# Allegro board SDHCalFEB20180110.brd (continued)
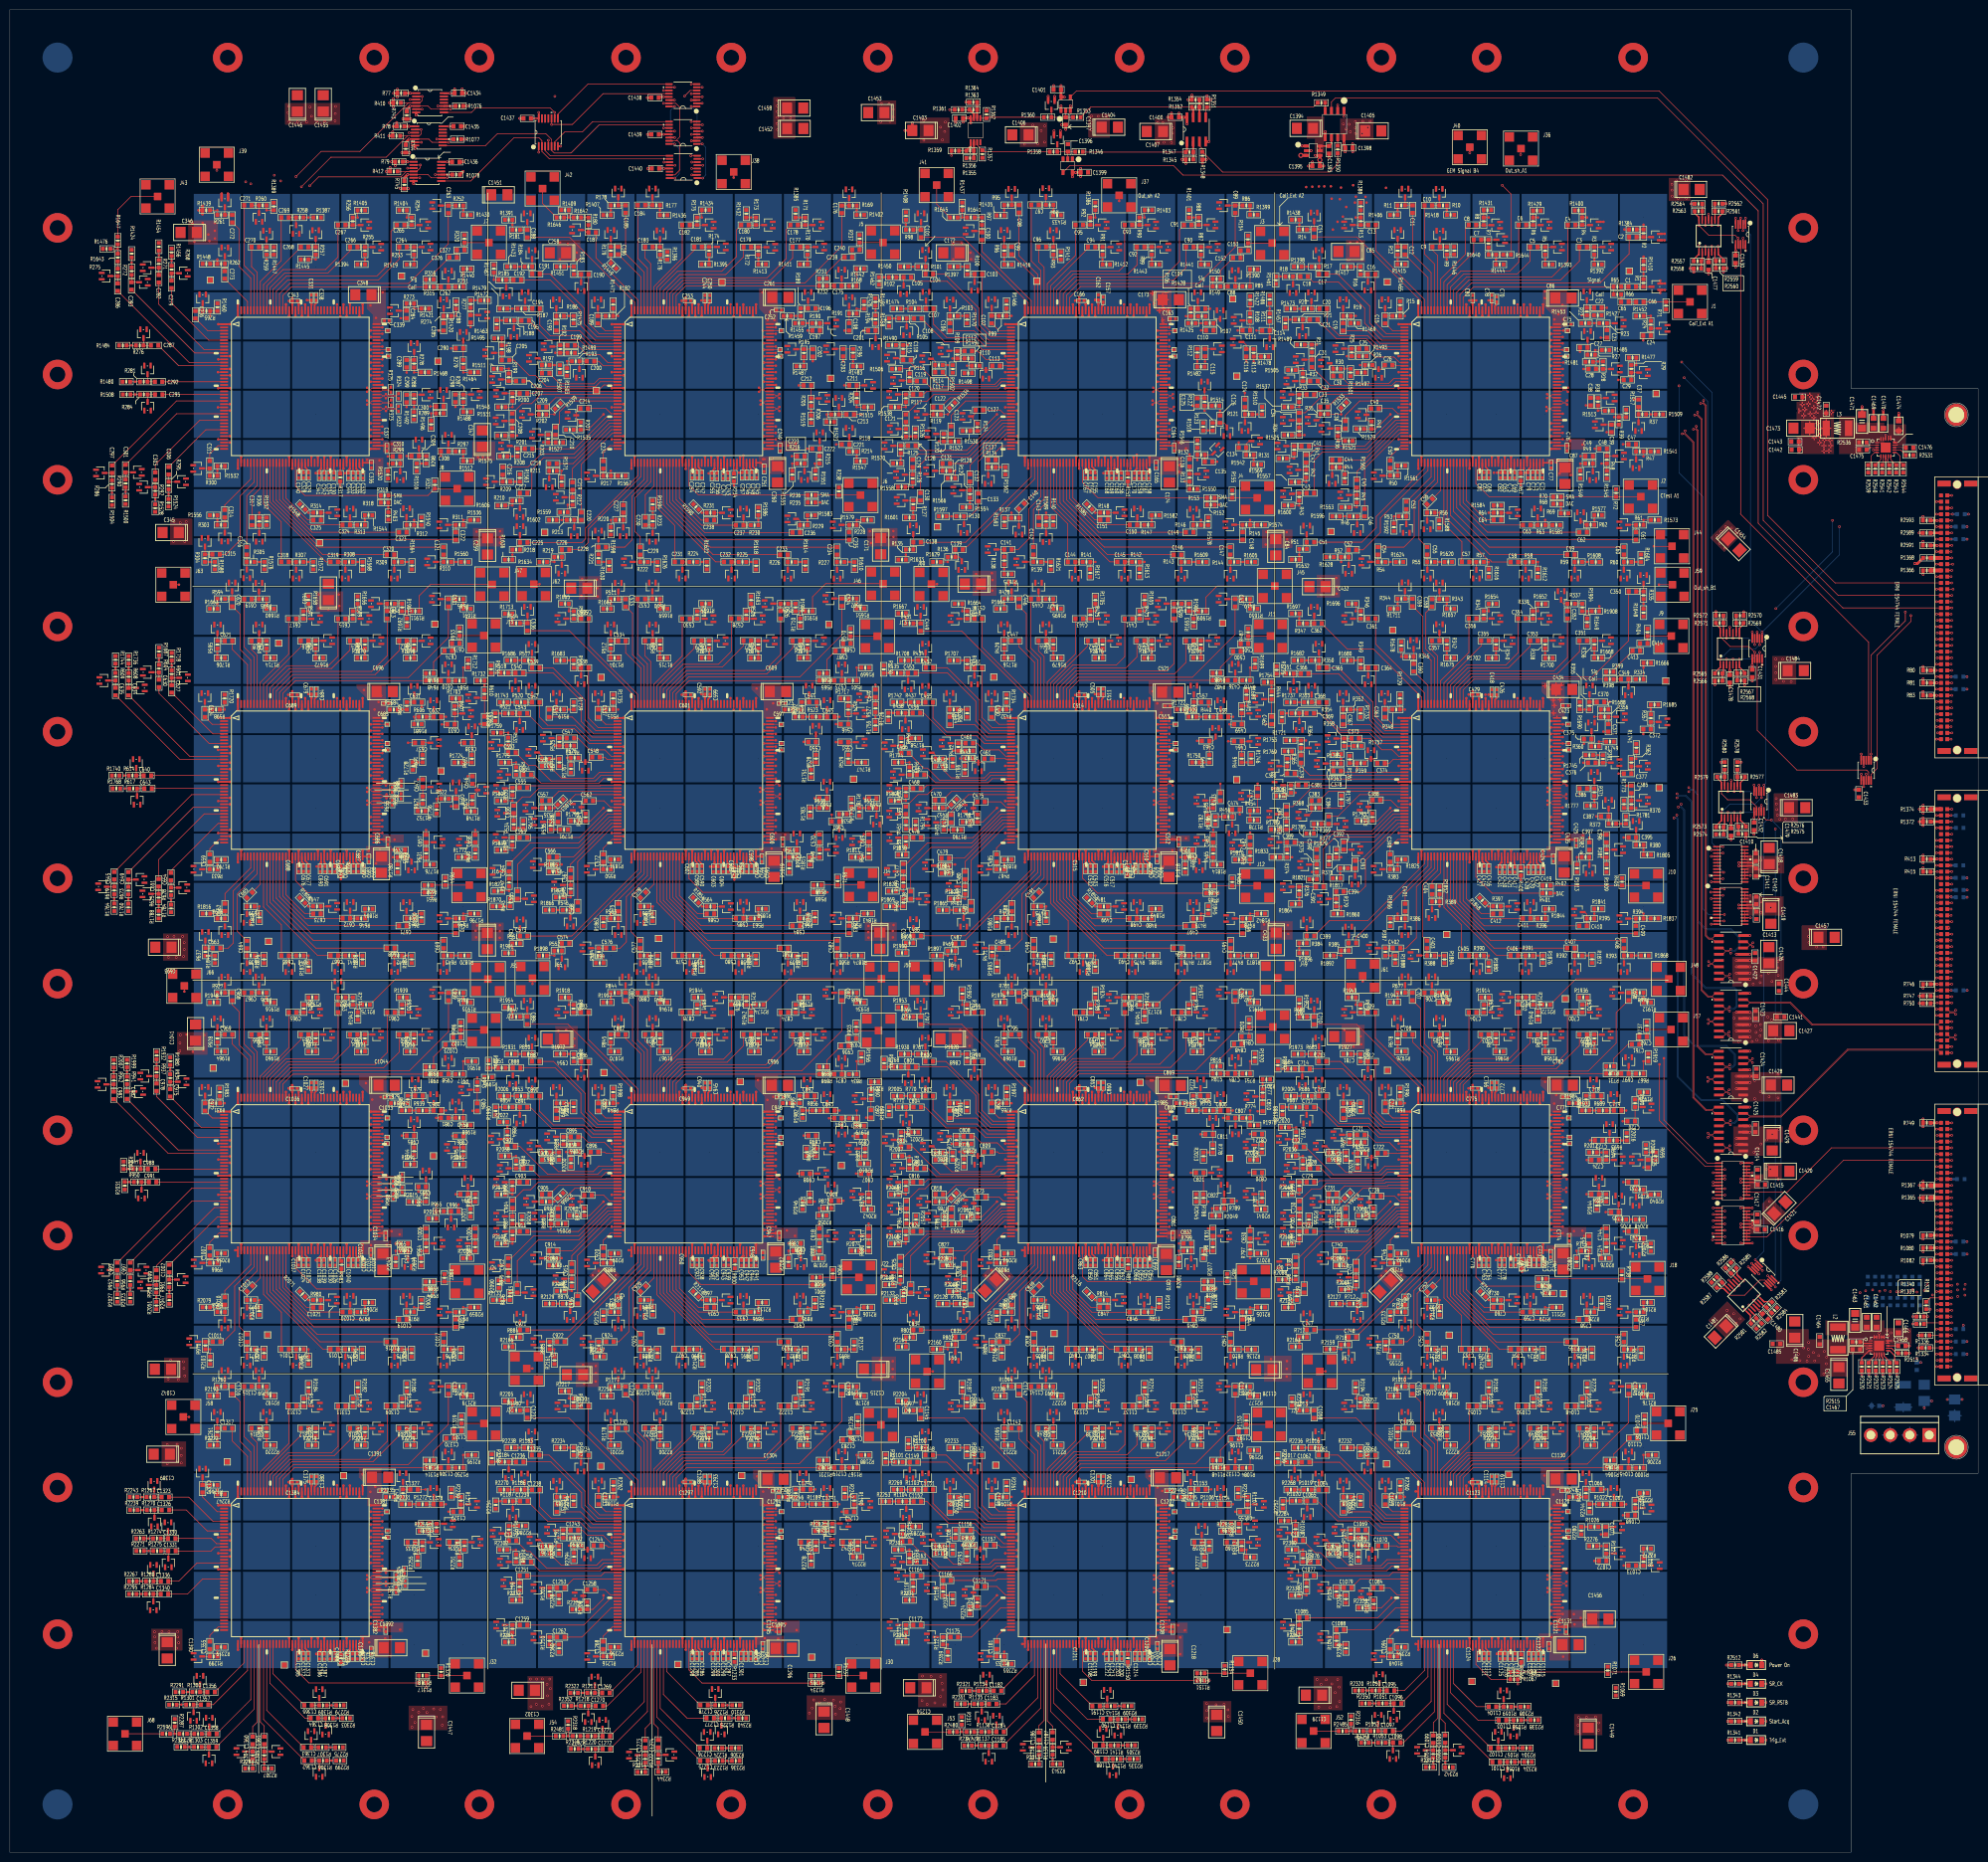
[diagram p0: board, top side]
## Placement (name value [footprint] x y rotation side) (continued)
R309  100  [SR0603]  78.94 262.2 180 top
R310  100  [SR0603]  88.98 262.2 180 top
R311  100  [SR0603]  91.44 269.72 180 top
R312  100  [SR0603]  81.43 269.72 180 top
R313  100  [SR0603]  71.42 269.72 180 top
R314  100  [SR0603]  62.48 272.21 0 top
R315  0  [SR0603]  85.39 318.11 180 top
R316  x  [SR0603]  85.39 319.63 180 top
R317  x  [SR0603]  67.19 279.37 270 top
R318  0  [SR0603]  76.2 274.24 180 top
R319  x  [SR0603]  76.2 275.71 180 top
R320  50  [SR0603]  92.43 327.86 90 top
R321  50  [SR0603]  86.41 277.85 270 top
R322  100  [SR0402]  79.04 293.32 90 top
R323  100  [SR0402]  77.52 294.59 90 top
R324  100  [SR0402]  79.04 295.91 270 top
R325  100  [SR0402]  77.47 297.21 90 top
R334  100  [SR0603]  331.44 238.38 180 top
R335  100  [SR0603]  332.21 255.43 90 top
R336  100  [SR0603]  322.2 245.45 90 top
R337  100  [SR0603]  317.49 253.72 180 top
R338  100  [SR0603]  312.19 245.45 90 top
R339  100  [SR0603]  309.73 251.43 270 top
R340  100  [SR0603]  302.21 245.45 90 top
R341  100  [SR0603]  299.72 251.45 270 top
R342  100  [SR0603]  292.2 245.45 90 top
R343  100  [SR0603]  291.46 254.66 180 top
R344  100  [SR0603]  282.96 254.71 0 top
R345  100  [SR0603]  284.69 242.95 0 top
R346  100  [SR0603]  274.7 251.45 270 top
R347  100  [SR0603]  262.97 249.71 0 top
R348  100  [SR0603]  281.91 232.21 180 top
R349  100  [SR0603]  274.7 241.44 270 top
R350  100  [SR0603]  265.44 242.21 0 top
R351  100  [SR0603]  260.28 239.5 0 top
R352  100  [SR0603]  271.87 232.21 180 top
R353  100  [SR0603]  263.97 233.68 0 top
R354  100  [SR0603]  261.43 231.44 0 top
R355  100  [SR0603]  321.21 232.98 90 top
R356  100  [SR0603]  324.29 230.73 0 top
R357  100  [SR0603]  333.68 230.45 270 top
R358  100  [SR0603]  271.32 225.56 90 top
R359  100  [SR0603]  274.71 221.31 0 top
R360  100  [SR0603]  322.37 224.71 180 top
R361  100  [SR0603]  323.95 222.17 270 top
R362  100  [SR0603]  329.72 221.43 270 top
R363  100  [SR0603]  269.92 221.23 180 top
R364  100  [SR0603]  262.56 225.16 270 top
R365  100  [SR0603]  259.74 221.45 270 top
R366  100  [SR0603]  260.48 216.06 90 top
R367  100  [SR0603]  259.59 208.62 90 top
R368  100  [SR0603]  265.47 212.19 180 top
R369  100  [SR0603]  265.92 208.97 0 top
R370  100  [SR0603]  329.72 212.96 90 top
R371  100  [SR0603]  322.2 215.4 90 top
R372  100  [SR0603]  325.87 208.99 180 top
R373  100  [SR0603]  277.09 210.35 90 top
R374  100  [SR0603]  259.71 202.95 90 top
R375  100  [SR0603]  265.75 199.95 90 top
R376  100  [SR0603]  262.2 195.43 90 top
R377  100  [SR0603]  269.74 202.97 90 top
R378  100  [SR0603]  271.3 199.96 0 top
R379  100  [SR0603]  269.71 192.96 90 top
R380  100  [SR0603]  331.44 204.69 180 top
R381  100  [SR0603]  324.68 202.97 90 top
R382  100  [SR0603]  320.42 202.22 0 top
R383  100  [SR0603]  281.43 199.74 180 top
R384  100  [SR0603]  262.97 184.72 0 top
R385  100  [SR0603]  271.48 183.24 0 top
R386  100  [SR0603]  282.96 189.72 0 top
R387  100  [SR0603]  279.72 182.96 90 top
R388  100  [SR0603]  288.95 182.21 180 top
R389  100  [SR0603]  289.97 193.18 180 top
R390  100  [SR0603]  298.98 182.21 180 top
R391  100  [SR0603]  308.97 182.21 180 top
R392  100  [SR0603]  318.97 182.21 180 top
R393  100  [SR0603]  328.98 182.21 180 top
R394  100  [SR0603]  331.42 189.73 180 top
R395  100  [SR0603]  321.44 189.73 180 top
R396  100  [SR0603]  311.45 189.73 180 top
R397  100  [SR0603]  302.39 192.21 0 top
R398  0  [SR0603]  325.35 238.37 180 top
R399  x  [SR0603]  325.35 239.87 180 top
R400  x  [SR0603]  307.27 199.29 270 top
R401  0  [SR0603]  312.47 194.89 180 top
R402  x  [SR0603]  312.47 196.43 180 top
R403  x  [SR0603]  76.97 271.55 270 top
R404  50  [SR0603]  333.01 247.9 90 top
R405  50  [SR0603]  327.85 197.21 270 top
R410  10k  [SR0603]  78.74 355.51 0 top
R411  10k  [SR0603]  78.61 348.78 180 top
R412  10k  [SR0603]  78.08 341.56 0 top
R413  10k  [SR0603]  389.81 201.81 0 top
R414  10k  [SR0603]  396.47 197.99 180 bottom
R415  10k  [SR0603]  389.81 199.25 0 top
R416  10k  [SR0603]  396.49 194.06 180 bottom
R417  10k  [SR0603]  396.49 195.53 180 bottom
R418  100  [SR0603]  251.43 238.15 180 top
R419  100  [SR0603]  251.43 254.66 180 top
R420  100  [SR0603]  242.19 245.42 90 top
R421  100  [SR0603]  237.51 253.72 180 top
R422  100  [SR0603]  232.21 245.45 90 top
R423  100  [SR0603]  229.74 251.43 270 top
R424  100  [SR0603]  222.2 245.42 90 top
R425  100  [SR0603]  219.71 251.43 270 top
R426  100  [SR0603]  212.19 245.45 90 top
R427  100  [SR0603]  211.42 254.66 180 top
R428  100  [SR0603]  202.95 254.69 0 top
R429  100  [SR0603]  202.21 245.45 90 top
R430  100  [SR0603]  194.67 251.43 270 top
R431  100  [SR0603]  182.96 249.71 0 top
R432  100  [SR0603]  201.92 232.21 180 top
R433  100  [SR0603]  194.67 241.44 270 top
R434  100  [SR0603]  185.45 242.21 0 top
R435  100  [SR0603]  180.4 239.62 0 top
R436  100  [SR0603]  191.91 232.21 180 top
R437  100  [SR0603]  183.93 233.68 0 top
R438  100  [SR0603]  181.34 231.52 0 top
R439  100  [SR0603]  240.77 232.98 90 top
R440  100  [SR0603]  243.98 230.73 0 top
R441  100  [SR0603]  250.49 232.2 270 top
R442  100  [SR0603]  192.85 224.61 90 top
R443  100  [SR0603]  194.94 222.26 0 top
R444  100  [SR0603]  256.57 235.08 270 top
R445  100  [SR0603]  243.93 222.22 90 top
R446  100  [SR0603]  250.49 222.22 90 top
R447  100  [SR0603]  188.98 222.19 180 top
R448  100  [SR0603]  181.26 225.6 270 top
R449  100  [SR0603]  182.94 219.71 270 top
R450  100  [SR0603]  182.21 215.42 90 top
R451  100  [SR0603]  182.21 208.71 90 top
R452  100  [SR0603]  188.93 212.21 180 top
R453  100  [SR0603]  189.93 208.51 90 top
R454  100  [SR0603]  252.96 211.69 0 top
R455  100  [SR0603]  244.64 212.95 90 top
R456  100  [SR0603]  247.8 210.42 0 top
R457  100  [SR0603]  196.74 210.11 90 top
R458  100  [SR0603]  182.21 205.41 90 top
R459  100  [SR0603]  181.7 197.05 90 top
R460  100  [SR0603]  181.7 192.96 90 top
R461  100  [SR0603]  190.22 200.47 180 top
R462  100  [SR0603]  194.25 195.48 90 top
R463  100  [SR0603]  193.19 191.45 0 top
R464  100  [SR0603]  252.21 202.46 90 top
R465  100  [SR0603]  244.69 202.95 90 top
R466  100  [SR0603]  239.75 202.19 0 top
R467  100  [SR0603]  201.42 199.74 180 top
R468  100  [SR0603]  182.96 184.74 0 top
R469  100  [SR0603]  191.49 183.17 0 top
R470  100  [SR0603]  202.97 189.72 0 top
R471  100  [SR0603]  199.74 182.96 90 top
R472  100  [SR0603]  208.99 182.21 180 top
R473  100  [SR0603]  208.97 192.19 180 top
R474  100  [SR0603]  219 182.21 180 top
R475  100  [SR0603]  228.98 182.21 180 top
R476  100  [SR0603]  238.99 182.21 180 top
R477  100  [SR0603]  249 182.21 180 top
R478  100  [SR0603]  251.43 189.73 180 top
R479  100  [SR0603]  241.43 189.73 180 top
R480  100  [SR0603]  231.44 189.73 180 top
R481  100  [SR0603]  222.48 192.19 0 top
R482  0  [SR0603]  245.39 238.14 180 top
R483  x  [SR0603]  245.39 239.64 180 top
R484  x  [SR0603]  227.34 199.39 270 top
R485  0  [SR0603]  244.04 194.89 180 top
R486  x  [SR0603]  244.04 196.38 180 top
R487  50  [SR0603]  251.81 247.9 90 top
R488  50  [SR0603]  248.57 197.15 270 top
R501  100  [SR0603]  171.44 238.1 180 top
R502  100  [SR0603]  171.44 254.76 180 top
R503  100  [SR0603]  162.2 245.42 90 top
R504  100  [SR0603]  157.5 253.72 180 top
R505  100  [SR0603]  152.2 245.42 90 top
R506  100  [SR0603]  149.73 251.43 270 top
R507  100  [SR0603]  142.19 245.42 90 top
R508  100  [SR0603]  139.75 251.43 270 top
R509  100  [SR0603]  132.21 245.42 90 top
R510  100  [SR0603]  131.44 254.66 180 top
R511  100  [SR0603]  122.97 254.63 0 top
R512  100  [SR0603]  122.2 245.4 90 top
R513  100  [SR0603]  114.68 251.43 270 top
R514  100  [SR0603]  102.98 249.76 0 top
R515  100  [SR0603]  121.94 232.21 180 top
R516  100  [SR0603]  114.66 241.44 270 top
R517  100  [SR0603]  105.42 242.19 0 top
R518  100  [SR0603]  100.57 239.65 0 top
R519  100  [SR0603]  111.93 232.21 180 top
R520  100  [SR0603]  103.95 233.68 0 top
R521  100  [SR0603]  101.43 231.42 0 top
R522  100  [SR0603]  161.04 232.95 90 top
R523  100  [SR0603]  163.94 230.73 0 top
R524  100  [SR0603]  170.48 232.17 270 top
R525  100  [SR0603]  111.73 225.64 90 top
R526  100  [SR0603]  114.84 222.4 0 top
R527  100  [SR0603]  176.02 232.44 90 top
R528  100  [SR0603]  163.91 222.23 90 top
R529  100  [SR0603]  170.48 222.23 90 top
R530  100  [SR0603]  108.98 222.2 180 top
R531  100  [SR0603]  101.35 225.72 270 top
R532  100  [SR0603]  102.95 219.73 270 top
R533  100  [SR0603]  102.21 215.58 90 top
R534  100  [SR0603]  102.46 208.87 90 top
R535  100  [SR0603]  108.96 212.19 180 top
R536  100  [SR0603]  109.98 208.59 90 top
R537  100  [SR0603]  175.47 212.22 0 top
R538  100  [SR0603]  165.41 212.22 0 top
R539  100  [SR0603]  169.42 210.96 180 top
R540  100  [SR0603]  117.09 210.31 90 top
R541  100  [SR0603]  102.18 205.42 90 top
R542  100  [SR0603]  101.52 197.06 90 top
R543  100  [SR0603]  101.73 192.97 90 top
R544  100  [SR0603]  110.46 200.73 180 top
R545  100  [SR0603]  114.04 195.78 90 top
R546  100  [SR0603]  113.21 191.47 0 top
R547  100  [SR0603]  174.67 202.97 90 top
R548  100  [SR0603]  164.66 202.97 90 top
R549  100  [SR0603]  159.26 202.19 0 top
R550  100  [SR0603]  121.44 199.74 180 top
R551  100  [SR0603]  102.97 184.67 0 top
R552  100  [SR0603]  111.48 183.19 0 top
R553  100  [SR0603]  122.96 189.72 0 top
R554  100  [SR0603]  119.75 182.96 90 top
R555  100  [SR0603]  128.96 182.21 180 top
R556  100  [SR0603]  129.01 192.19 180 top
R557  100  [SR0603]  138.99 182.21 180 top
R558  100  [SR0603]  149 182.21 180 top
R559  100  [SR0603]  158.98 182.19 180 top
R560  100  [SR0603]  168.99 182.21 180 top
R561  100  [SR0603]  171.42 189.75 180 top
R562  100  [SR0603]  161.44 189.75 180 top
R563  100  [SR0603]  151.43 189.75 180 top
R564  100  [SR0603]  142.47 192.19 0 top
R565  0  [SR0603]  165.4 238.09 180 top
R566  x  [SR0603]  165.4 239.59 180 top
R567  x  [SR0603]  147.33 199.36 270 top
R568  0  [SR0603]  164.24 195.06 180 top
R569  x  [SR0603]  164.24 196.56 180 top
R570  50  [SR0603]  170.96 247.88 90 top
R571  50  [SR0603]  168.33 197.33 270 top
R584  100  [SR0603]  91.43 238.07 180 top
R585  100  [SR0603]  91.43 254.66 180 top
R586  100  [SR0603]  82.19 245.4 90 top
R587  100  [SR0603]  77.49 253.72 180 top
R588  100  [SR0603]  72.19 245.42 90 top
R589  100  [SR0603]  69.75 251.43 270 top
R590  100  [SR0603]  62.18 245.42 90 top
R591  100  [SR0603]  59.72 251.43 270 top
R592  100  [SR0603]  52.2 245.4 90 top
R593  100  [SR0603]  51.44 254.65 180 top
R594  100  [SR0603]  42.96 254.69 0 top
R595  100  [SR0603]  42.21 245.4 90 top
R598  100  [SR0603]  41.93 232.21 180 top
R601  100  [SR0603]  32.92 239.41 270 top
R604  100  [SR0603]  30.33 240.53 270 top
R605  100  [SR0603]  80.72 232.95 90 top
R606  100  [SR0603]  83.93 230.73 0 top
R607  100  [SR0603]  90.45 232.17 270 top
R608  100  [SR0603]  24.16 238.85 270 top
R609  100  [SR0603]  21.49 238.88 270 top
R610  100  [SR0603]  96.52 235.37 270 top
R611  100  [SR0603]  83.92 222.23 90 top
R612  100  [SR0603]  93.93 222.21 90 top
R614  100  [SR0603]  24.95 218.8 0 top
R617  100  [SR0603]  25.1 216.15 0 top
R619  100  [SR0603]  21.23 195.44 90 top
R620  100  [SR0603]  94.03 213.78 90 top
R621  100  [SR0603]  83.97 213.83 90 top
R622  100  [SR0603]  88.48 214.07 0 top
R623  100  [SR0603]  24.1 195.41 90 top
R625  100  [SR0603]  30.27 193.98 90 top
R628  100  [SR0603]  32.78 195.25 90 top
R630  100  [SR0603]  94.66 202.97 90 top
R631  100  [SR0603]  84.65 202.97 90 top
R632  100  [SR0603]  79.6 202.19 0 top
R633  100  [SR0603]  41.43 199.74 180 top
R636  100  [SR0603]  42.98 189.72 0 top
R637  100  [SR0603]  39.77 182.96 90 top
R638  100  [SR0603]  48.97 182.21 180 top
R639  100  [SR0603]  48.97 192.19 180 top
R640  100  [SR0603]  59 182.21 180 top
R641  100  [SR0603]  69.01 182.21 180 top
R642  100  [SR0603]  78.99 182.21 180 top
R643  100  [SR0603]  88.98 182.21 180 top
R644  100  [SR0603]  91.44 189.75 180 top
R645  100  [SR0603]  81.43 189.75 180 top
R646  100  [SR0603]  71.45 189.75 180 top
R647  100  [SR0603]  62.46 192.21 0 top
R648  0  [SR0603]  85.39 238.09 180 top
R649  x  [SR0603]  85.39 239.59 180 top
R650  x  [SR0603]  67.32 199.44 270 top
R651  0  [SR0603]  85.06 195.01 180 top
R652  x  [SR0603]  85.06 196.51 180 top
R653  50  [SR0603]  91.46 248.01 90 top
R654  50  [SR0603]  88.53 197.28 270 top
R655  100  [SR0402]  77.77 213.26 90 top
R656  100  [SR0402]  79.55 214.58 90 top
R657  100  [SR0402]  77.75 215.9 270 top
R658  100  [SR0402]  79.6 217.2 90 top
R667  100  [SR0603]  331.44 158.22 180 top
R668  100  [SR0603]  331.44 174.65 180 top
R669  100  [SR0603]  322.2 165.39 90 top
R670  100  [SR0603]  319.76 171.44 270 top
R671  100  [SR0603]  312.19 165.39 90 top
R672  100  [SR0603]  307.51 173.74 180 top
R673  100  [SR0603]  302.18 165.41 90 top
R674  100  [SR0603]  299.75 171.44 270 top
R675  100  [SR0603]  292.2 165.41 90 top
R676  100  [SR0603]  291.43 174.65 180 top
R677  100  [SR0603]  282.96 174.66 0 top
R678  100  [SR0603]  282.22 165.41 90 top
R679  100  [SR0603]  274.65 171.44 270 top
R680  100  [SR0603]  262.97 169.75 0 top
R681  100  [SR0603]  281.96 152.2 180 top
R682  100  [SR0603]  274.65 161.43 270 top
R683  100  [SR0603]  265.41 162.2 0 top
R684  100  [SR0603]  260.56 159.18 0 top
R685  100  [SR0603]  271.95 152.2 180 top
R686  100  [SR0603]  263.94 153.67 0 top
R687  100  [SR0603]  261.45 151.41 0 top
R688  100  [SR0603]  320.52 152.97 90 top
R689  100  [SR0603]  323.93 150.72 0 top
R690  100  [SR0603]  330.48 152.19 270 top
R691  100  [SR0603]  272.47 145.02 90 top
R692  100  [SR0603]  274.83 142.05 0 top
R693  100  [SR0603]  326.08 144.65 180 top
R694  100  [SR0603]  324.64 141.44 270 top
R695  100  [SR0603]  334.64 141.44 270 top
R696  100  [SR0603]  269 142.19 180 top
R697  100  [SR0603]  261.57 145.58 270 top
R698  100  [SR0603]  262.94 139.74 270 top
R699  100  [SR0603]  262.2 135.42 90 top
R700  100  [SR0603]  262.23 128.53 90 top
R701  100  [SR0603]  269 132.21 180 top
R702  100  [SR0603]  270.13 128.48 90 top
R703  100  [SR0603]  331.44 134.67 180 top
R704  100  [SR0603]  324.64 132.95 90 top
R705  100  [SR0603]  327.91 128.6 180 top
R706  100  [SR0603]  277.24 130.11 90 top
R707  100  [SR0603]  262.2 125.41 90 top
R708  100  [SR0603]  261.47 117.13 90 top
R709  100  [SR0603]  261.7 112.96 90 top
R710  100  [SR0603]  270.46 120.72 180 top
R711  100  [SR0603]  273.75 116.05 90 top
R712  100  [SR0603]  273.23 111.46 0 top
R713  100  [SR0603]  331.44 124.65 180 top
R714  100  [SR0603]  324.65 122.96 90 top
R715  100  [SR0603]  320.34 122.21 0 top
R716  100  [SR0603]  281.46 119.75 180 top
R717  100  [SR0603]  262.97 104.66 0 top
R718  100  [SR0603]  271.48 103.16 0 top
R719  100  [SR0603]  282.96 109.76 0 top
R720  100  [SR0603]  279.77 102.97 90 top
R721  100  [SR0603]  289 102.2 180 top
R722  100  [SR0603]  289 112.18 180 top
R723  100  [SR0603]  299.01 102.2 180 top
R724  100  [SR0603]  309.02 102.2 180 top
R725  100  [SR0603]  319 102.2 180 top
R726  100  [SR0603]  328.98 102.2 180 top
R727  100  [SR0603]  331.44 109.74 180 top
R728  100  [SR0603]  321.44 109.74 180 top
R729  100  [SR0603]  311.43 109.74 180 top
R730  100  [SR0603]  302.44 112.2 0 top
R731  0  [SR0603]  325.4 158.21 180 top
R732  x  [SR0603]  325.4 159.71 180 top
R733  x  [SR0603]  307.5 119.46 270 top
R734  0  [SR0603]  311.61 115.03 180 top
R735  x  [SR0603]  313.13 113.55 0 top
R736  x  [SR0603]  311.61 116.53 180 top
R737  50  [SR0603]  332.86 167.94 90 top
R738  50  [SR0603]  327.77 117.27 270 top
R743  10k  [SR0603]  80.71 352.98 90 top
R744  10k  [SR0603]  80.5 346.15 270 top
R745  10k  [SR0603]  80.23 338.84 90 top
R746  10k  [SR0603]  389.81 176.41 0 top
R747  10k  [SR0603]  389.81 174 0 top
R748  10k  [SR0603]  396.49 175.13 180 bottom
R749  10k  [SR0603]  389.81 148.22 0 top
R750  10k  [SR0603]  389.81 172.5 0 top
R751  100  [SR0603]  251.43 158.22 180 top
R752  100  [SR0603]  251.43 174.65 180 top
R753  100  [SR0603]  242.19 165.39 90 top
R754  100  [SR0603]  239.75 171.44 270 top
R755  100  [SR0603]  232.21 165.41 90 top
R756  100  [SR0603]  227.5 173.71 180 top
R757  100  [SR0603]  222.2 165.39 90 top
R758  100  [SR0603]  219.76 171.44 270 top
R759  100  [SR0603]  212.19 165.41 90 top
R760  100  [SR0603]  211.45 174.65 180 top
R761  100  [SR0603]  202.95 174.65 0 top
R762  100  [SR0603]  202.21 165.41 90 top
R763  100  [SR0603]  194.64 171.44 270 top
R764  100  [SR0603]  182.97 169.75 0 top
R765  100  [SR0603]  201.95 152.2 180 top
R766  100  [SR0603]  194.64 161.43 270 top
R767  100  [SR0603]  185.4 162.2 0 top
R768  100  [SR0603]  180.45 159.59 0 top
R769  100  [SR0603]  191.94 152.2 180 top
R770  100  [SR0603]  183.93 153.67 0 top
R771  100  [SR0603]  181.49 151.41 0 top
R772  100  [SR0603]  240.61 152.97 90 top
R773  100  [SR0603]  243.93 150.72 0 top
R774  100  [SR0603]  251.45 149.2 180 top
R775  100  [SR0603]  192.48 144.71 90 top
R776  100  [SR0603]  194.78 142.32 0 top
R777  100  [SR0603]  254.76 154.35 270 top
R778  100  [SR0603]  244.63 142.96 90 top
R779  100  [SR0603]  254.63 142.96 90 top
R780  100  [SR0603]  188.99 142.19 180 top
R781  100  [SR0603]  181.25 145.53 270 top
R782  100  [SR0603]  182.93 139.74 270 top
R783  100  [SR0603]  182.19 135.39 90 top
R784  100  [SR0603]  182.32 128.53 90 top
R785  100  [SR0603]  189.01 132.2 180 top
R786  100  [SR0603]  189.97 128.43 90 top
R787  100  [SR0603]  254.63 132.95 90 top
R788  100  [SR0603]  242.72 132.95 90 top
R789  100  [SR0603]  246.21 130.84 0 top
R790  100  [SR0603]  196.82 129.85 90 top
R791  100  [SR0603]  182.19 125.41 90 top
R792  100  [SR0603]  181.09 117.04 90 top
R793  100  [SR0603]  181.68 112.95 90 top
R794  100  [SR0603]  190.47 120.72 180 top
R795  100  [SR0603]  194.1 115.62 90 top
R796  100  [SR0603]  193.19 111.46 0 top
R797  100  [SR0603]  252.21 122.45 90 top
R798  100  [SR0603]  244.64 122.96 90 top
R799  100  [SR0603]  239.45 122.21 0 top
R800  100  [SR0603]  201.45 119.75 180 top
R801  100  [SR0603]  182.96 104.63 0 top
R802  100  [SR0603]  191.49 103.18 0 top
R803  100  [SR0603]  202.95 109.76 0 top
R804  100  [SR0603]  199.76 102.97 90 top
R805  100  [SR0603]  208.99 102.2 180 top
R806  100  [SR0603]  208.99 112.21 180 top
R807  100  [SR0603]  218.99 102.21 180 top
R808  100  [SR0603]  228.98 102.2 180 top
R809  100  [SR0603]  238.99 102.2 180 top
R810  100  [SR0603]  249 102.2 180 top
R811  100  [SR0603]  251.43 109.74 180 top
R812  100  [SR0603]  241.43 109.74 180 top
R813  100  [SR0603]  231.44 109.74 180 top
R814  100  [SR0603]  222.44 112.21 0 top
R815  0  [SR0603]  245.39 158.21 180 top
R816  x  [SR0603]  245.39 159.71 180 top
R817  x  [SR0603]  227.39 119.43 270 top
R818  0  [SR0603]  243.64 114.49 180 top
R819  x  [SR0603]  243.64 115.99 180 top
R820  50  [SR0603]  251.98 168.45 90 top
R821  50  [SR0603]  247.53 116.76 270 top
R834  100  [SR0603]  171.44 158.09 180 top
R835  100  [SR0603]  171.44 174.65 180 top
R836  100  [SR0603]  162.2 165.39 90 top
R837  100  [SR0603]  159.77 171.44 270 top
R838  100  [SR0603]  152.2 165.41 90 top
R839  100  [SR0603]  147.49 173.71 180 top
R840  100  [SR0603]  142.19 165.39 90 top
R841  100  [SR0603]  139.75 171.44 270 top
R842  100  [SR0603]  132.21 165.41 90 top
R843  100  [SR0603]  131.44 174.65 180 top
R844  100  [SR0603]  122.97 174.65 0 top
R845  100  [SR0603]  122.2 165.39 90 top
R846  100  [SR0603]  114.63 171.44 270 top
R847  100  [SR0603]  102.96 169.77 0 top
R848  100  [SR0603]  121.94 152.2 180 top
R849  100  [SR0603]  114.66 161.43 270 top
R850  100  [SR0603]  105.42 162.2 0 top
R851  100  [SR0603]  100.03 159.38 0 top
R852  100  [SR0603]  111.93 152.2 180 top
R853  100  [SR0603]  103.95 153.67 0 top
R854  100  [SR0603]  101.46 151.38 0 top
R855  100  [SR0603]  160.63 152.97 90 top
R856  100  [SR0603]  163.94 150.72 0 top
R857  100  [SR0603]  171.44 149.15 180 top
R858  100  [SR0603]  112.57 144.61 90 top
R859  100  [SR0603]  114.84 142.29 0 top
R860  100  [SR0603]  175.11 153.89 270 top
R861  100  [SR0603]  163.91 142.22 90 top
R862  100  [SR0603]  173.89 142.22 90 top
R863  100  [SR0603]  109.01 142.21 180 top
R864  100  [SR0603]  101.17 145.69 270 top
R865  100  [SR0603]  102.95 139.74 270 top
R866  100  [SR0603]  102.18 135.39 90 top
R867  100  [SR0603]  102.21 128.46 90 top
R868  100  [SR0603]  109.01 132.21 180 top
R869  100  [SR0603]  109.98 128.48 90 top
R870  100  [SR0603]  174.65 132.95 90 top
R871  100  [SR0603]  162.69 132.95 90 top
R872  100  [SR0603]  166.28 130.89 0 top
R873  100  [SR0603]  116.81 130.13 90 top
R874  100  [SR0603]  102.21 125.38 90 top
R875  100  [SR0603]  101.36 116.94 90 top
R876  100  [SR0603]  101.67 112.95 90 top
R877  100  [SR0603]  110.46 120.72 180 top
R878  100  [SR0603]  114.27 115.77 90 top
R879  100  [SR0603]  113.18 111.46 0 top
R880  100  [SR0603]  174.64 122.96 90 top
R881  100  [SR0603]  164.63 122.96 90 top
R882  100  [SR0603]  160.07 122.21 0 top
R883  100  [SR0603]  121.44 119.75 180 top
R884  100  [SR0603]  102.97 104.63 0 top
R885  100  [SR0603]  109.77 102.97 90 top
R886  100  [SR0603]  122.96 109.76 0 top
R887  100  [SR0603]  119.75 102.97 90 top
R888  100  [SR0603]  129.01 102.2 180 top
R889  100  [SR0603]  129.01 112.21 180 top
R890  100  [SR0603]  139.01 102.2 180 top
R891  100  [SR0603]  149 102.2 180 top
R892  100  [SR0603]  159 102.2 180 top
R893  100  [SR0603]  169.01 102.2 180 top
R894  100  [SR0603]  171.42 109.77 180 top
R895  100  [SR0603]  161.44 109.77 180 top
R896  100  [SR0603]  151.43 109.77 180 top
R897  100  [SR0603]  142.47 112.2 0 top
R898  0  [SR0603]  165.4 158.11 180 top
R899  x  [SR0603]  165.4 159.6 180 top
R900  x  [SR0603]  147.42 119.41 270 top
R901  0  [SR0603]  163.98 115.31 180 top
R902  x  [SR0603]  163.98 116.81 180 top
R903  50  [SR0603]  172.1 167.72 90 top
R904  50  [SR0603]  167.34 117.58 270 top
R917  100  [SR0603]  91.43 158.12 180 top
R918  100  [SR0603]  91.46 174.62 180 top
R919  100  [SR0603]  82.19 165.39 90 top
R920  100  [SR0603]  79.76 171.44 270 top
R921  100  [SR0603]  72.19 165.39 90 top
R922  100  [SR0603]  67.5 173.71 180 top
R923  100  [SR0603]  62.2 165.41 90 top
R924  100  [SR0603]  59.77 171.44 270 top
R925  100  [SR0603]  52.2 165.39 90 top
R926  100  [SR0603]  51.43 174.65 180 top
R927  100  [SR0603]  42.96 174.62 0 top
R928  100  [SR0603]  42.21 165.39 90 top
R931  100  [SR0603]  41.95 152.2 180 top
R934  100  [SR0603]  32.61 157.32 270 top
R937  100  [SR0603]  29.84 158.46 270 top
R938  100  [SR0603]  80.92 152.97 90 top
R939  100  [SR0603]  83.93 150.72 0 top
R940  100  [SR0603]  91.43 149.22 180 top
R941  100  [SR0603]  23.83 156.84 270 top
R942  100  [SR0603]  21.13 156.81 270 top
R943  100  [SR0603]  95.05 155.72 270 top
R944  100  [SR0603]  82.19 142.45 90 top
R945  100  [SR0603]  92.2 142.45 90 top
R947  100  [SR0603]  25.82 138.84 0 top
R950  100  [SR0603]  26.02 136.19 0 top
R952  100  [SR0603]  21.84 116.04 90 top
R953  100  [SR0603]  94.64 132.95 90 top
R954  100  [SR0603]  84.62 132.97 90 top
R955  100  [SR0603]  87.45 130.26 0 top
R956  100  [SR0603]  24.48 116.03 90 top
R958  100  [SR0603]  29.79 114.5 90 top
R961  100  [SR0603]  32.43 115.6 90 top
R963  100  [SR0603]  94.63 122.96 90 top
R964  100  [SR0603]  84.65 122.96 90 top
R965  100  [SR0603]  80.19 122.21 0 top
R966  100  [SR0603]  41.43 119.75 180 top
R969  100  [SR0603]  42.95 109.76 0 top
R970  100  [SR0603]  39.77 102.97 90 top
R971  100  [SR0603]  49 102.2 180 top
R972  100  [SR0603]  49 112.21 180 top
R973  100  [SR0603]  59 102.2 180 top
R974  100  [SR0603]  68.99 102.2 180 top
R975  100  [SR0603]  78.99 102.2 180 top
R976  100  [SR0603]  89 102.2 180 top
R977  100  [SR0603]  91.44 109.77 180 top
R978  100  [SR0603]  81.43 109.77 180 top
R979  100  [SR0603]  71.45 109.77 180 top
R980  100  [SR0603]  62.46 112.2 0 top
R981  0  [SR0603]  85.39 158.11 180 top
R982  x  [SR0603]  85.39 159.6 180 top
R983  x  [SR0603]  67.42 119.38 270 top
R984  0  [SR0603]  85.34 114.44 180 top
R985  x  [SR0603]  85.34 115.94 180 top
R986  50  [SR0603]  91.69 167.87 90 top
R987  50  [SR0603]  88.38 116.71 270 top
R988  100  [SR0402]  78 133.27 90 top
R989  100  [SR0402]  79.81 134.57 90 top
R990  100  [SR0402]  77.95 135.86 270 top
R991  100  [SR0402]  79.76 137.19 90 top
R1000  100  [SR0603]  331.44 78.11 180 top
R1001  100  [SR0603]  331.44 94.64 180 top
R1002  100  [SR0603]  322.2 85.4 90 top
R1003  100  [SR0603]  319.76 91.43 270 top
R1004  100  [SR0603]  312.19 85.4 90 top
R1005  100  [SR0603]  309.78 91.43 270 top
R1006  100  [SR0603]  302.2 85.39 90 top
R1007  100  [SR0603]  299.77 91.43 270 top
R1008  100  [SR0603]  292.2 85.4 90 top
R1009  100  [SR0603]  291.44 94.63 180 top
R1010  100  [SR0603]  282.96 94.64 0 top
R1011  100  [SR0603]  282.19 85.4 90 top
R1012  100  [SR0603]  274.62 91.43 270 top
R1013  100  [SR0603]  262.98 89.76 0 top
R1014  100  [SR0603]  281.96 72.19 180 top
R1015  100  [SR0603]  274.62 81.42 270 top
R1016  100  [SR0603]  265.39 82.19 0 top
R1017  100  [SR0603]  260.49 79.25 0 top
R1018  100  [SR0603]  271.95 72.19 180 top
R1019  100  [SR0603]  263.91 73.66 0 top
R1020  100  [SR0603]  261.53 71.4 0 top
